# KiCad board Motherboard.kicad_pcb (continued)
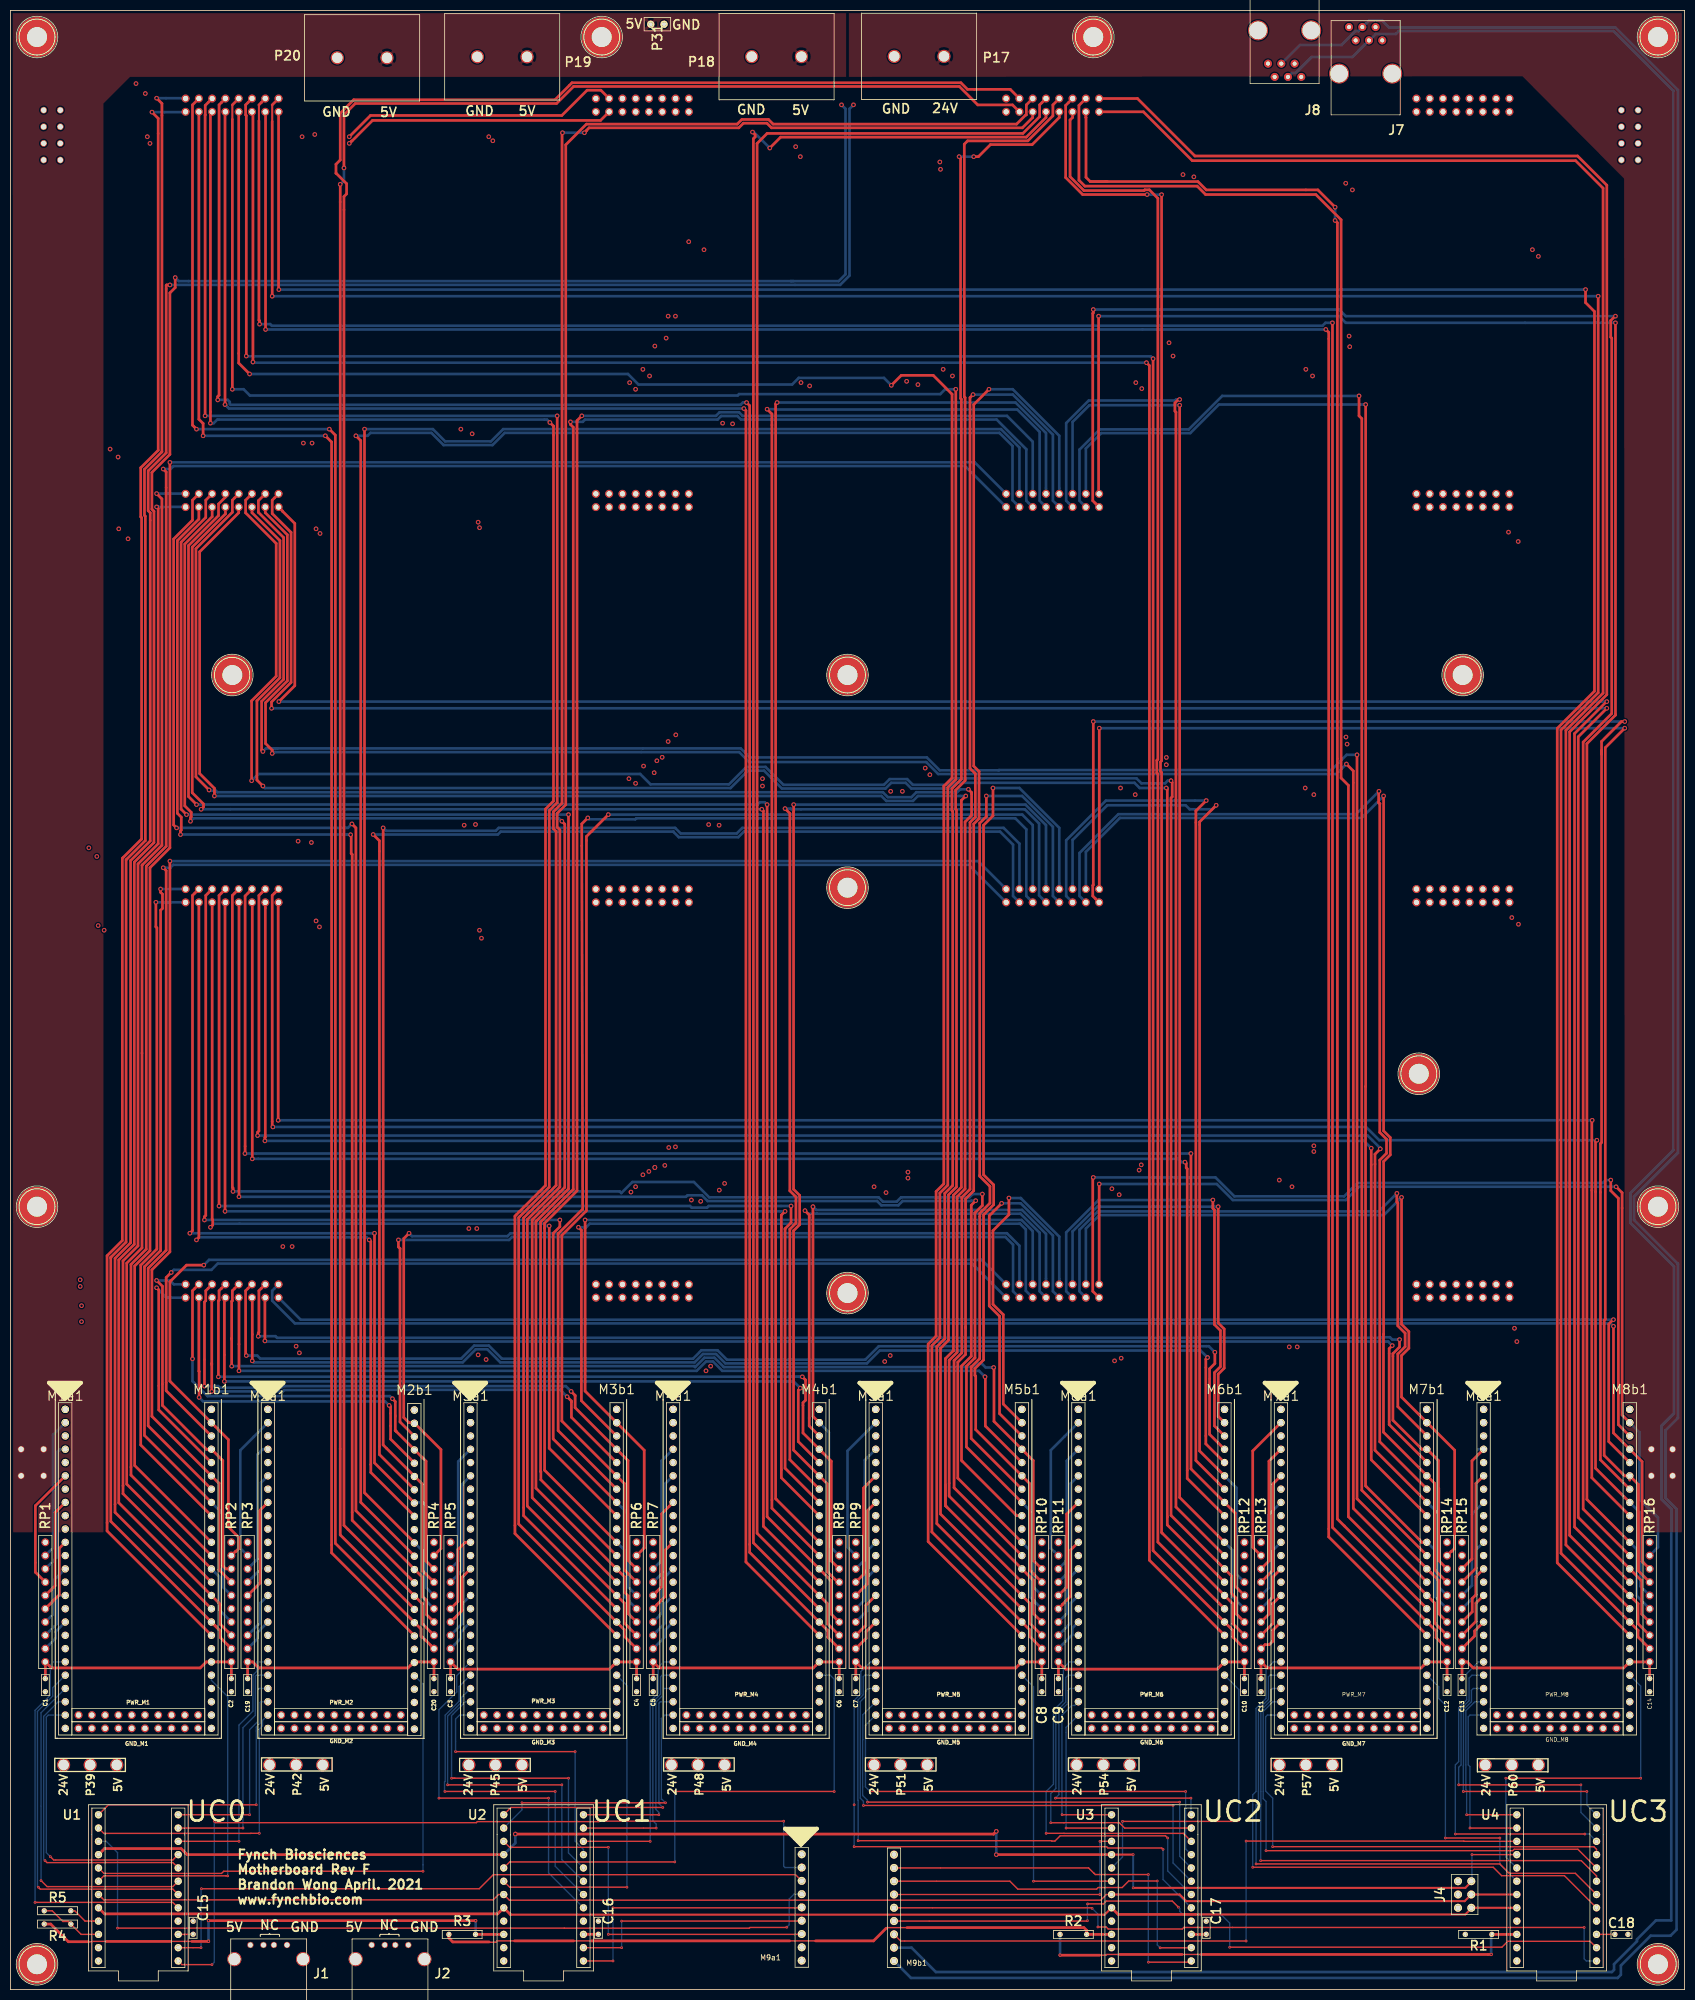
[diagram p0: board, top side]
## Routing (per net, layer and track width the routed paths; a pad name or vN(x,y) marks a point on that pad's centre or on a via; arc(x,y) is an arc through that point) (continued)
/SPA-07: length 297.1
  In1.Cu w0.508: v2(287.02,204.85) 135.89,204.85 133.35,207.39 133.35,209.3 132.35,210.3 P7.2
  In2.Cu w0.508: M8a1.15 290.58,102.04 290.58,135.76 287.46,138.87 287.46,203.07 287.02,203.52 v2(287.02,204.85)
  Bottom w0.508: 277.5,75.31 279.4,77.22 279.4,90.87 M8a1.15
/SPA-08: length 391.6
  Top w0.508: P8.2 50.04,209.08 50.04,164.97 v2(50.16,164.85) ; v2(303.28,162.31) 303.02,162.05 303.02,99.63 M8b1.16
  Bottom w0.508: v2(303.28,162.31) 261.68,162.31 259.14,164.85 v2(50.16,164.85) ; M8b1.16 311.61,91.05 311.61,77.08 313.37,75.31
/SPA-09: length 223
  In2.Cu w0.508: M8a1.21 292.23,96.08 292.23,136.12 289.31,139.04 289.31,210.19 285.85,213.64 285.85,274.6 284.77,275.68 284.77,281.75 285.34,282.32 285.34,284.62 P9.2
  Bottom w0.508: M8a1.21 280.16,84.01 280.16,75.44 RP15.5
/SPA-10: length 386.3
  Top w0.508: P10.2 208.03,285.94 v2(208.03,319.79) ; v2(306.83,318.52) 306.83,243.55 301.37,238.08 301.37,93.66 M8b1.22
  Bottom w0.508: v2(208.03,319.79) 254,319.79 255.27,318.52 v2(306.83,318.52) ; M8b1.22 310.9,84.14 310.9,75.25 RP16.5
/SPA-11: length 379.4
  Top w0.508: RP15.4 279.45,72.19 279.45,74.73 280.16,75.44 280.16,78.93 M8a1.25
  In1.Cu w0.508: v2(286.39,278.51) 137.16,278.51 134.62,281.05 134.62,283.59 132.72,285.5 131.11,285.5 130.77,285.84 P11.2
  In2.Cu w0.508: M8a1.25 293.88,92.65 293.88,136.48 290.96,139.41 290.96,210.56 287.53,213.98 287.53,276.1 287.34,276.29 287.34,277.56 v2(286.39,278.51)
/SPA-12: length 482.3
  Top w0.508: v2(49.91,244.86) 49.91,246.06 53.64,249.8 53.64,278.46 50.04,282.07 50.04,284.62 P12.2 ; v2(305.18,244.86) 299.72,239.4 299.72,90.23 M8b1.26 311.86,78.09 311.86,71.74 RP16.4
  Bottom w0.508: v2(305.18,244.86) v2(49.91,244.86)
/SPA-13: length 305.9
  Top w0.508: 277.5,67.69 280.16,70.36 280.16,73.85 M8a1.29
  In2.Cu w0.508: P13.2 285.34,360.16 285.34,289.2 289.33,285.22 289.33,214.19 292.61,210.92 292.61,139.77 295.53,136.84 295.53,89.22 M8a1.29
/SPA-14: length 390.3
  Top w0.508: 313.37,67.69 311.15,69.91 311.15,73.72 M8b1.30 298.07,86.8 298.07,240.35 305.18,247.46 305.18,344.81 299.6,350.39 226.44,350.39 215.46,361.38 P14.2
/SPA-15: length 467.1
  Top w0.508: M8a1.33 279.91,68.52 279.91,67.56 RP15.2
  In1.Cu w0.508: v2(132.59,332.49) v2(290.96,332.49)
  In2.Cu w0.508: v2(132.59,332.49) 131.32,333.76 131.32,359.02 129.69,360.64 P15.2 ; M8a1.33 297.18,85.79 297.18,137.21 294.26,140.13 294.26,211.28 290.96,214.58 v2(290.96,332.49)
  Bottom w0.508: M8a1.33 281.05,70.23
/SPA-16: length 560.2
  Top w0.381: 50.04,360.16 50.04,357
  Top w0.508: v2(50.04,323.6) 50.04,357 ; RP16.2 311.15,67.37 311.15,68.64 M8b1.34 296.42,83.38 296.42,240.71 303.53,247.82 v2(303.53,323.6) ; 50.04,360.16 P16.2
  Bottom w0.508: v2(303.53,323.6) v2(50.04,323.6)
/SPB+01: length 99.3
  In1.Cu w0.508: v2(245,153.42) 265.59,153.42 282.8,136.2 282.8,133.44 P1.3
  In2.Cu w0.508: v2(245,153.42) 244.81,153.23 244.81,128.48 243.15,126.83 243.15,121.83 244.81,120.18 244.81,107.71 M7a1.5
/SPB+02: length 127
  Top w0.508: 270.83,105.79 265.23,111.39 265.23,121.45 266.62,122.85 266.62,125.44 265.23,126.83 265.23,150.32 265.04,150.51 265.04,152.13 v2(265.05,152.15)
  Bottom w0.508: P2.3 204.37,133.44 204.37,145.2 207.88,148.7 261.61,148.7 v2(265.05,152.15)
/SPB+03: length 150.1
  In1.Cu w0.508: v2(246,122.81) 244.26,124.55 128.69,124.55 127.15,126.09 P3.3
  In2.Cu w0.508: v2(246,122.81) 246.46,122.35 246.46,105.81 246.46,104.28 M7a1.9
/SPB+04: length 249.8
  Top w0.508: v2(48.64,123.95) 48.64,132.14 P4.3 ; v2(264.16,123.06) 263.58,122.48 263.58,107.96 270.83,100.71
  Bottom w0.508: v2(264.16,123.06) 263.39,123.84 48.76,123.84 v2(48.64,123.95)
/SPB+05: length 181.2
  In1.Cu w0.381: 282.7,211.16 282.7,209.08
  In1.Cu w0.508: P5.3 282.7,209.08 ; 282.7,211.16 263.98,229.88 250.7,229.88 250.32,229.5 250.32,229.49 v2(249.17,228.35)
  In2.Cu w0.508: M7a1.13 248.26,101 248.26,123.72 248.23,123.75 248.23,225.93 249.17,226.87 v2(249.17,228.35)
/SPB+06: length 210.4
  Top w0.508: 270.83,95.63 261.77,104.69 261.77,158.51 263.07,159.81 263.07,162.51 261.77,163.8 261.77,226.59 261.8,226.62 261.56,226.86 261.56,228.92 v2(261.62,228.98)
  Bottom w0.508: P6.3 204.37,208.98 204.37,217.19 211.8,224.61 257.25,224.61 v2(261.62,228.98)
/SPB+07: length 244.3
  In1.Cu w0.508: v2(127.13,161.04) 133.73,161.04 134.7,162 247.7,162 248.46,161.24 v2(249.17,161.24)
  In2.Cu w0.508: P7.3 127.15,161.06 v2(127.13,161.04) ; v2(249.17,161.24) 249.42,161.24 250.08,160.58 250.08,159.71 249.89,159.52 249.89,96.56 243.88,90.55 M7a1.17
/SPB+08: length 332.4
  Top w0.508: v2(48.64,162.18) 48.64,162.81 48.72,162.88 P8.3 ; v2(260.15,160.78) 260.15,101.23 270.83,90.55
  Bottom w0.508: v2(260.15,160.78) 258.75,162.18 v2(48.64,162.18)
/SPB+09: length 276.8
  In1.Cu w0.508: P9.3 282.8,284.52 282.8,286.6 261.05,308.36 v2(248.92,308.36)
  In2.Cu w0.508: M7a1.23 251.54,91.58 251.54,305.74 v2(248.92,308.36)
/SPB+10: length 296.2
  Top w0.508: v2(257.81,304.55) 257.81,300.74 258.34,300.2 258.34,95.42 270.83,82.93
  Bottom w0.508: P10.3 204.37,284.52 204.37,294.27 208.24,298.15 225.26,298.15 231.66,304.55 v2(257.81,304.55)
/SPB+11: length 341
  In1.Cu w0.508: v2(127.19,239.78) 127.75,239.22 254.1,239.22 254.24,239.36 v2(255.31,239.36)
  In2.Cu w0.508: P11.3 127.15,239.82 v2(127.19,239.78) ; M7a1.27 253.19,88.15 253.19,235.08 254.76,236.65 256.21,236.65 256.92,237.36 256.92,238.2 256.62,238.51 256.55,238.51 255.7,239.36 v2(255.31,239.36)
/SPB+12: length 421.8
  Top w0.508: P12.3 48.72,282.22 52.93,278 52.93,250.09 48.77,245.93 48.77,238.12 50.04,236.85 v2(50.04,236.22) ; 270.83,77.85 256.72,91.96 256.72,232.87 v2(255.4,234.19)
  Bottom w0.508: v2(255.4,234.19) 253.49,232.28 177.36,232.28 175.07,234.57 141.22,234.57 139.32,236.47 50.29,236.47 v2(50.04,236.22)
/SPB+13: length 315.1
  In1.Cu w0.508: v2(256.54,343.92) 270.37,343.92 284.02,357.57 P13.3
  In2.Cu w0.508: v2(256.54,343.92) 256.54,338.19 254.38,336.03 254.38,243.07 259.04,238.41 259.04,234.53 254.84,230.33 254.84,86.26 254.84,84.72 M7a1.31
/SPB+14: length 341.3
  Top w0.508: 206.43,345.51 209.68,345.51 209.24,345.51 ; 206.43,345.51 205.61,346.33 205.61,357.74 205.59,357.76 P14.3 ; 206.43,345.51 227.01,345.51 228.6,343.92 249.94,343.92 v2(253.24,340.62) ; 270.83,72.77 253.67,89.93 253.67,235.21 253.67,337.64 v2(253.24,338.07)
  Bottom w0.508: v2(253.24,338.07) 253.24,340.61 v2(253.24,340.62)
/SPB+15: length 428.1
  In1.Cu w0.508: v2(255.91,315.98) 223.66,315.98 221.68,317.96 132.64,317.96 130.81,319.79 v2(127.13,319.79)
  In2.Cu w0.508: v2(255.91,315.98) 257.3,314.59 257.3,313.18 255.98,311.86 255.98,243.48 260.68,238.78 260.68,233.13 256.49,228.94 256.49,81.29 M7a1.35 ; P15.3 127.15,319.81 v2(127.13,319.79)
/SPB+16: length 501.9
  Top w0.508: P16.3 48.77,358.79 v2(48.77,317.25) ; 270.83,67.69 252.02,86.5 252.02,316.69 v2(251.46,317.25)
  Bottom w0.508: v2(251.46,317.25) v2(48.77,317.25)
/SPB-01: length 127.6
  Top w0.508: M7a1.3 237.49,102.93 237.49,84.52 RP13.9
  In1.Cu w0.508: P1.4 284.02,135.98 265.32,154.69 v2(242.57,154.69)
  In2.Cu w0.508: M7a1.3 244.09,109.54 244.09,119.89 242.44,121.54 242.44,127.13 244.09,128.78 244.09,151.89 242.57,153.42 v2(242.57,154.69)
/SPB-02: length 147.9
  Top w0.508: v2(265.94,151.38) 265.94,127.13 267.34,125.73 267.34,122.56 265.94,121.16 265.94,113.22 276.1,103.06 276.1,84.33 275.45,83.68 275.39,83.68 RP14.9
  Bottom w0.508: P2.4 205.59,145.41 208.17,147.99 262.55,147.99 v2(265.94,151.38)
/SPB-03: length 175.4
  Top w0.508: M7a1.7 240.59,100.95 240.59,81.9 RP13.8
  In1.Cu w0.508: v2(244.47,122.81) 243.45,123.84 127.27,123.84 125.83,125.27 125.83,133.44 P3.4
  In2.Cu w0.508: v2(244.47,122.81) 245.74,121.54 245.74,106.11 M7a1.7
/SPB-04: length 278.2
  Top w0.508: v2(47.37,124.84) 47.37,125.47 47.5,125.6 47.5,133.54 P4.4 ; v2(265.56,124.21) 265.56,122.79 264.29,121.52 264.29,108.8 269.84,103.25 270.83,103.25 273,101.08 273,95.81 273.05,95.76 273.05,81.98 RP14.8
  Bottom w0.508: v2(47.37,124.84) 47.38,124.85 50.66,124.85 50.97,124.55 262.15,124.55 262.25,124.65 263.72,124.65 264.16,124.21 v2(265.56,124.21)
/SPB-05: length 201.3
  Top w0.508: RP13.7 241.24,80.01 241.3,80.01 241.3,96.58 M7a1.11
  In1.Cu w0.508: v2(247.52,229.62) 248.43,229.62 249.41,230.59 264.81,230.59 284.02,211.38 P5.4
  In2.Cu w0.508: M7a1.11 247.55,102.83 247.55,123.42 247.52,123.44 v2(247.52,229.62)
/SPB-06: length 224.8
  Top w0.508: RP14.7 272.29,80.2 272.29,96.71 262.48,106.51 262.48,125.2 262.51,125.22 262.51,158.24 263.78,159.51 263.78,162.81 262.51,164.08 v2(262.51,228.09)
  Bottom w0.508: v2(262.51,228.09) 258.32,223.9 212.09,223.9 205.59,217.4 P6.4
/SPB-07: length 263.8
  In1.Cu w0.508: v2(249.17,160.15) 248.55,160.15 248.02,160.67 214.26,160.67 213.64,161.29 135.64,161.29 134.11,159.77 127,159.77 v2(125.86,160.91)
  In2.Cu w0.508: P7.4 125.93,209.08 125.93,161.61 125.86,161.54 v2(125.86,160.91) ; v2(249.17,160.15) 249.17,99.38 M7a1.15
  Bottom w0.508: 239.08,75.31 240.47,76.71 240.47,90.68 M7a1.15
/SPB-08: length 354.9
  Top w0.508: v2(47.24,163.2) 47.24,163.82 47.5,164.08 47.5,209.08 P8.4 ; 270.83,93.09 260.86,103.06 260.86,159.64 v2(261.87,160.66)
  Bottom w0.508: 270.83,93.09 273,90.92 273,76.95 274.64,75.31 ; v2(261.87,160.66) 261.87,160.78 259.46,163.2 v2(47.24,163.2)
/SPB-09: length 289.9
  In1.Cu w0.508: v2(247.65,309.63) 261.31,309.63 284.02,286.92 P9.4
  In2.Cu w0.508: v2(247.65,309.63) 247.65,307.85 250.83,304.67 250.83,93.41 M7a1.21
  Bottom w0.508: RP13.5 241.24,74.93 241.24,83.82 M7a1.21
/SPB-10: length 302.8
  Top w0.508: 270.83,85.47 269.84,85.47 259.05,96.26 259.05,172.57 259.08,172.59 v2(259.08,302.89)
  Bottom w0.508: v2(259.08,302.89) 231.01,302.89 225.55,297.43 208.53,297.43 205.59,294.49 P10.4 ; 270.83,85.47 272.29,84.01 272.29,75.12 RP14.5
/SPB-11: length 352.9
  Top w0.508: RP13.4 240.59,71.74 240.59,74.22 241.3,74.93 241.3,78.8 M7a1.25
  In1.Cu w0.508: v2(125.73,238.51) 255.02,238.51 v2(255.52,238)
  In2.Cu w0.508: v2(125.73,238.51) 125.73,282.51 125.93,282.71 125.93,284.62 P11.4 ; v2(255.52,238) 255.13,237.6 254.38,237.6 252.48,235.7 252.48,89.98 M7a1.25
/SPB-12: length 440.1
  Top w0.508: P12.4 47.4,284.52 47.4,282.3 52.22,277.47 52.22,250.39 48.02,246.18 48.02,236.84 v2(48.26,236.6) ; v2(257.43,235.97) 257.43,93.79 273.05,78.17 273.05,71.82 RP14.4
  Bottom w0.508: v2(257.43,235.97) 255.45,235.97 252.53,233.05 188.98,233.05 188.93,232.99 177.65,232.99 175.19,235.46 141.34,235.46 139.61,237.19 51.05,237.19 ; 51.05,237.19 48.84,237.19 v2(48.26,236.6) ; 51.05,237.19 49.78,237.19
/SPB-13: length 325.2
  Top w0.508: 239.08,67.69 241.3,69.91 241.3,73.72 M7a1.29
  In1.Cu w0.508: P13.4 282.7,360.06 282.7,357.25 270.64,345.19 v2(255.27,345.19)
  In2.Cu w0.508: M7a1.29 254.13,86.55 254.13,230.63 258.33,234.84 258.33,236.84 258.32,236.86 258.32,238.12 253.63,242.81 253.63,336.28 255.27,337.92 v2(255.27,345.19)
/SPB-14: length 348.3
  Top w0.508: 274.64,67.69 272.29,70.04 272.29,73.85 255.78,90.36 255.78,230.12 254.38,231.52 254.38,338.2 249.55,343.03 228.48,343.03 226.87,344.64 205.4,344.64 204.27,345.77 204.27,360.06 P14.4
/SPB-15: length 439.3
  Top w0.508: M7a1.33 241.3,68.64 241.3,66.55 240.65,65.9 239.83,65.9 RP13.2
  In1.Cu w0.508: 255.28,314.71 251.33,314.71 ; 251.33,314.71 255.27,314.71 v2(256.03,313.94) ; 251.33,314.71 223.93,314.71 221.39,317.25 128.27,317.25 v2(125.73,319.79)
  In2.Cu w0.508: P15.4 125.93,360.16 125.93,358.39 125.73,358.19 v2(125.73,319.79) ; v2(256.03,313.94) 255.27,313.18 255.27,243.18 259.97,238.49 259.97,233.43 255.78,229.24 255.78,83.12 M7a1.33
  Bottom w0.508: M7a1.33 242.62,70.23
/SPB-16: length 511.6
  Top w0.381: 47.5,360.16 47.5,357.12
  Top w0.508: 47.5,360.16 P16.4 ; 47.5,357.12 47.5,319.02 47.63,318.89 v2(47.63,318.26) ; v2(252.73,318.52) 252.73,88.33 272.54,68.52 272.54,67.25 RP14.2
  Bottom w0.508: v2(47.63,318.26) 49.66,318.26 49.96,317.96 250.84,317.96 251.4,318.52 v2(252.73,318.52)
/TS+01: length 201.7
  In1.Cu w0.508: P1.9 275.18,133.44 275.18,137.78 266.66,146.3 136.28,146.3 v2(131.95,150.63)
  In2.Cu w0.508: v2(131.95,150.63) 132,150.59 132,111.11 M4a1.5
/TS+02: length 103.7
  Top w0.508: v2(151.89,148.84) 152.7,148.03 152.7,107.71 M4b1.6
  Bottom w0.508: v2(151.89,148.84) 152.46,148.27 154.18,148.27 193.09,148.27 196.75,144.62 196.75,133.44 P2.9
/TS+03: length 49.1
  In1.Cu w0.508: P3.9 119.53,131.14 119.63,131.04 119.63,119.51 120.19,118.95 131.65,118.95 132.27,119.57 133.41,119.57 v2(133.86,119.13)
  In2.Cu w0.508: M4a1.9 133.87,107.9 133.87,118.48 133.86,118.5 v2(133.86,119.13) 133.87,119.11
/TS+04: length 142.8
  Top w0.508: P4.9 40.89,132.02 v2(40.89,116.22) ; M4b1.10 150.61,104.72 150.61,114.54 v2(151,114.94)
  Bottom w0.508: v2(40.89,116.22) 149.72,116.22 v2(151,114.94) 150.99,114.94
/TS+05: length 280.5
  In1.Cu w0.508: P5.9 275.18,208.98 275.18,211.06 263.35,222.9 137.29,222.9 136.89,222.5 v2(135.47,222.5)
  In2.Cu w0.508: v2(135.47,222.5) 135.47,156.18 133.81,154.52 133.81,151.82 135.47,150.15 135.47,104.42 M4a1.13
/TS+06: length 199.1
  Top w0.508: v2(148.08,225.68) 149,224.76 149,152.64 150.16,151.47 150.16,146.47 149,145.3 149,101.26 M4b1.14
  Bottom w0.508: v2(148.08,225.68) 149.16,225.68 149.3,225.54 193.94,225.54 196.65,222.83 196.65,209.08 P6.9
/TS+07: length 139.9
  In1.Cu w0.508: v2(136.53,154.05) 134.37,154.05 133.98,153.67 119.76,153.67 v2(119.51,153.42)
  In2.Cu w0.508: v2(136.53,154.05) 137.3,153.28 137.3,101.17 M4a1.17 ; v2(119.51,153.42) 119.53,153.44 P7.9
/TS+08: length 227.6
  Top w0.508: v2(148.08,148.72) 147.37,148.01 147.37,99.34 147.37,97.8 M4b1.18 ; P8.9 41.02,207.68 v2(41.02,148.72)
  Bottom w0.508: v2(41.02,148.72) v2(148.08,148.72)
/TS+09: length 368.2
  In1.Cu w0.508: P9.9 275.08,284.62 275.08,286.7 262.19,299.59 139.57,299.59 139.53,299.55 138.47,299.55 138.13,299.21 v2(138.05,299.21)
  In2.Cu w0.508: M4a1.23 138.9,95.15 138.9,298.36 v2(138.05,299.21)
/TS+10: length 292
  Top w0.508: v2(144.65,302.01) 145.57,301.09 145.57,91.99 M4b1.24
  Bottom w0.508: v2(144.65,302.01) 146.24,302.01 146.3,301.94 192.47,301.94 196.75,297.66 196.75,284.52 P10.9
/TS+11: length 236.5
  In1.Cu w0.508: v2(119.51,230.5) 119.63,230.38 139.83,230.38 140.21,230 v2(143.76,230)
  In2.Cu w0.508: v2(143.76,230) 140.54,226.77 140.54,91.71 M4a1.27 ; P11.9 119.51,283.27 v2(119.51,230.5)
/TS+12: length 320.9
  Top w0.508: v2(36.45,225.55) 36.89,226 36.89,226.57 34.75,228.71 34.75,275.65 41.1,282 P12.9 ; v2(143.64,225.55) 143.94,225.25 143.94,88.53 M4b1.28
  Bottom w0.508: v2(143.64,225.55) v2(36.45,225.55)
/TS+13: length 417.4
  In1.Cu w0.508: v2(151,350.27) 152.2,351.46 270.1,351.46 276.4,357.76 P13.9
  In2.Cu w0.508: M4a1.31 142.19,88.28 142.19,225.55 145.59,228.96 145.59,236.26 145.25,236.6 145.25,299.63 149.94,304.31 149.94,349.2 v2(151,350.27)
/TS+14: length 348.6
  Top w0.508: M4b1.32 142.02,85.37 142.02,353.69 142.37,354.04 142.37,354.46 v2(141.86,354.97) ; v2(145.16,351.92) 147.24,354 194.21,354 197.97,357.76 P14.9
  Bottom w0.508: v2(145.16,351.92) 142.11,354.97 v2(141.86,354.97)
/TS+15: length 336.1
  In1.Cu w0.508: v2(119.51,305.82) 152.15,305.82 v2(152.78,306.45)
  In2.Cu w0.508: v2(119.51,305.82) 119.53,305.84 P15.9 ; M4a1.35 143.84,84.85 143.84,223.29 147.02,226.46 147.02,298.92 151.84,303.74 151.85,303.74 152.78,304.67 v2(152.78,306.45)
/TS+16: length 395.9
  Top w0.508: v2(140.21,302.13) 140.6,301.74 140.6,81.71 M4b1.36 ; P16.9 41.02,358.76 v2(41.02,302.89)
  Bottom w0.508: v2(140.21,302.13) 41.78,302.13 v2(41.02,302.89)
/TS-01: length 227
  In1.Cu w0.508: P1.10 276.4,137.57 266.96,147.02 137.67,147.02 133.15,151.54 130.84,151.54 v2(130.17,150.88)
  In2.Cu w0.508: RP7.9 125.22,85.28 125.22,106.87 M4a1.3 131.29,112.94 131.29,149.76 v2(130.17,150.88)
/TS-02: length 125.1
  Top w0.508: v2(153.42,149.61) 153.42,109.54 M4b1.4
  Bottom w0.508: P2.10 197.97,144.4 193.39,148.98 154.04,148.98 v2(153.42,149.61) ; M4b1.4 156.46,106.49 156.46,84.84 157.16,84.14 157.23,84.14 RP8.9
/TS-03: length 79.6
  In1.Cu w0.508: v2(132.97,118.24) 119.38,118.24 118.31,119.3 118.31,133.54 P3.10
  In2.Cu w0.508: M4a1.7 132.97,109.54 ; 132.97,109.54 v2(132.97,118.24) ; 132.97,109.54 132.97,116.08
  Bottom w0.508: RP7.8 124.46,81.98 124.46,101.03 M4a1.7
/TS-04: length 169.9
  Top w0.508: v2(39.75,117.09) 39.75,131.61 39.88,131.74 39.88,133.54 P4.10 ; v2(151.38,117.09) 151.99,116.48 151.99,112.62 151.51,112.14 151.51,106.36 M4b1.8 156.92,100.95 156.92,81.9 RP8.8
  Bottom w0.508: v2(151.38,117.09) 150.76,117.09 150.73,117.12 39.78,117.12 v2(39.75,117.09)
/TS-05: length 301.2
  In1.Cu w0.508: v2(133.48,222.63) 134.65,223.8 263.98,223.8 276.4,211.38 P5.10
  In2.Cu w0.508: v2(133.48,222.63) 134.76,221.35 134.76,156.48 133.1,154.81 133.1,151.52 134.76,149.86 134.76,106.25 M4a1.11
  Bottom w0.508: M4a1.11 125.22,96.71 125.22,80.2 RP7.7
/TS-06: length 215.4
  Top w0.508: v2(149.73,226.44) 149.73,225.04 149.71,225.02 149.71,152.93 150.88,151.77 150.88,146.18 149.71,145.01 149.71,103.09 M4b1.12 156.21,96.58 156.21,79.81 158.17,77.85 RP8.7
  Bottom w0.508: v2(149.73,226.44) 194.05,226.44 197.97,222.52 P6.10
/TS-07: length 159.6
  Top w0.508: M4a1.15 124.51,90.92 124.51,77.01 123.57,76.07 123.57,76.01 122.87,75.31
  In1.Cu w0.508: v2(118.62,152.4) 119.83,152.4 120.19,152.77 v2(135.51,152.77)
  In2.Cu w0.508: v2(118.62,152.4) 118.62,153.03 118.31,153.33 118.31,209.08 P7.10 ; M4a1.15 127.67,93.09 136.4,101.82 136.4,151.88 v2(135.51,152.77)
/TS-08: length 249.9
  Top w0.508: M4b1.16 148.08,99.63 148.08,145.39 149.22,146.54 v2(149.22,149.73) ; v2(39.88,149.73) 39.88,149.73 39.88,209.08 P8.10
  In2.Cu w0.508: 158.43,75.31 156.97,76.77 156.97,90.74 M4b1.16
  Bottom w0.508: v2(149.22,149.73) 133.48,149.73 133.17,149.43 130.23,149.43 129.92,149.73 v2(39.88,149.73)
/TS-09: length 381
  Top w0.508: RP7.5 123.57,73.47 123.57,73.53 125.22,75.18 125.22,84.01 M4a1.21
  In1.Cu w0.508: v2(136.14,299.34) 137.11,300.3 263.02,300.3 276.4,286.92 P9.10
  In2.Cu w0.508: M4a1.21 138.18,96.96 138.18,152.72 138.19,152.73 138.19,297.29 v2(136.14,299.34)
/TS-10: length 301.1
  Top w0.508: v2(146.56,303.28) 146.28,303 146.28,93.81 M4b1.22
  In2.Cu w0.508: M4b1.22 156.21,83.88 156.21,74.93 157.62,73.52 157.68,73.52 RP8.5
  Bottom w0.508: v2(146.56,303.28) 192.14,303.28 197.97,297.45 P10.10
/TS-11: length 250.8
  In1.Cu w0.508: v2(143.76,231.39) 139.84,231.39 139.83,231.41 119.07,231.41 119.06,231.39 v2(118.24,231.39)
  In2.Cu w0.508: M4a1.25 139.83,93.54 139.83,228.22 143,231.39 v2(143.76,231.39) ; P11.10 118.24,284.54 v2(118.24,231.39)
  Bottom w0.508: RP7.4 124.08,71.44 124.08,71.5 124.51,71.93 124.51,78.22 M4a1.25
/TS-12: length 334.3
  Top w0.508: P12.10 41.1,285.2 39.78,283.88 39.78,281.68 34.04,275.94 34.04,227.99 v2(35.57,226.45) ; RP8.4 156.97,71.69 156.97,78.04 M4b1.26 144.65,90.36 v2(144.65,226.44)
  Bottom w0.508: v2(35.57,226.45) 142.82,226.45 143.25,226.89 144.21,226.89 v2(144.65,226.44)
/TS-13: length 427.5
  In1.Cu w0.508: v2(150.11,352.17) 269.28,352.17 275.18,358.08 275.18,360.16 P13.10
  In2.Cu w0.508: M4a1.29 141.48,90.11 141.48,222 141.35,222.12 141.35,225.72 144.88,229.25 144.88,235.96 144.54,236.31 144.54,299.92 149.22,304.61 149.22,351.28 v2(150.11,352.17)
  Bottom w0.508: M4a1.29 125.22,73.85 125.22,70.1 123.57,68.45 123.57,68.39 122.87,67.69
/TS-14: length 351.7
  Top w0.508: 158.43,67.69 156.21,69.91 156.21,73.72 M4b1.30 142.74,87.2 142.74,352.79 144.65,354.71 193.55,354.71 196.75,357.91 196.75,360.16 P14.10
/TS-15: length 341.2
  In1.Cu w0.508: v2(151.13,307.09) v2(118.36,307.09)
  In2.Cu w0.508: M4a1.33 143.13,86.68 143.13,223.58 146.3,226.76 146.3,299.21 151.13,304.04 v2(151.13,307.09) ; P15.10 118.31,360.16 118.31,358.25 118.36,358.2 v2(118.36,307.09)
  Bottom w0.508: M4a1.33 125.22,68.77 125.22,67.5 RP7.2
/TS-16: length 405.6
  Top w0.508: v2(140.72,303.28) 141.31,302.68 141.31,83.54 M4b1.34 156.27,68.58 156.27,67.31 RP8.2 ; v2(39.62,303.78) 39.62,304.41 39.88,304.67 39.88,360.16 P16.10
  Bottom w0.508: v2(140.72,303.28) 140.02,303.28 139.58,302.84 42.09,302.84 41.92,303.01 41.92,303.4 41.53,303.8 39.64,303.8 v2(39.62,303.78)
/UC0_A0: length 100.8
  Top w0.254: U1.16 17.88,22.19 40.35,22.19 40.77,22.61 v1(78.87,22.61)
  Bottom w0.254: 77.15,60.07 78.87,58.36 v1(78.87,22.61)
/UC0_A1: length 64.8
  Top w0.254: v1(41.53,21.72) 41.52,21.73 17.86,21.73 U1.14
  Bottom w0.254: M1b1.42 38.42,59.08 41.53,55.97 v1(41.53,21.72)
/UC0_A2: length 274
  Top w0.254: U3.12 209.51,18.16 208.42,17.07 95.39,17.07 U2.12 93.31,18.16 92.28,17.13 17.86,17.13 U1.12
  Top w0.381: U4.12 J4.3 278,16.89 224.79,16.89 223.52,18.16 U3.12
/UC0_A3: length 274.5
  Top w0.381: 226.57,14.35 278.13,14.35 279.27,15.49 J4.1 U4.10 ; 95.5,14.41 95.61,14.3 209.02,14.3 209.11,14.22 U3.10
  Top w0.508: 95.62,14.3 U2.10 93.14,14.47 17.98,14.47 U1.10 ; U3.10 211.77,14.35 226.57,14.35
/UC0_D2: length 77.5
  Top w0.254: v1(4.7,16.64) 4.71,16.65 31.04,16.65 U1.9
  Bottom w0.254: v1(4.7,16.64) 4.7,53.34 7.62,56.26 7.62,62.04 8.19,62.61 M1a1.39
/UC0_D3: length 70.1
  Top w0.254: U1.11 31.04,19.19 5.7,19.19 v1(5.33,19.56)
  Bottom w0.254: M1a1.41 8.08,57.67 8.08,56.07 5.16,53.15 5.16,19.74 v1(5.33,19.56)
/UC0_D4: length 65.8
  Top w0.254: v1(5.84,20.83) 7,19.67 31.04,19.67 U1.13
  Bottom w0.254: M1a1.43 5.84,52.9 v1(5.84,20.83)
/UC0_D5: length 59
  Top w0.254: U1.15 31.04,24.27 16.33,24.27 16.32,24.26 6.98,24.26 v1(6.6,24.64)
  Bottom w0.254: v1(6.6,24.64) 6.35,24.89 6.35,52.21 9.13,54.99 M1a1.45
/UC0_D6: length 55.9
  Top w0.254: v1(7.62,25.4) 8.27,24.75 31.04,24.75 U1.17
  Bottom w0.254: v1(7.62,25.4) 6.86,26.16 6.86,52.07 7.24,52.45 M1a1.47
/UC0_D7: length 49.4
  Top w0.254: v1(43.69,28.32) U1.19
  Bottom w0.254: M2a1.39 47.12,62.61 47.12,60.84 46.35,60.08 46.35,53.21 43.69,50.55 v1(43.69,28.32)
/UC0_D8: length 44.9
  Top w0.254: v1(44.45,30.86) U1.21
  Bottom w0.254: M2a1.41 46.99,60.07 46.81,59.89 46.81,52.4 44.45,50.04 v1(44.45,30.86)
/UC0_D9: length 40.2
  Top w0.254: v1(45.72,33.4) U1.23
  Bottom w0.254: v1(45.72,33.4) 45.72,49.66 47.27,51.21 47.27,57.28 47.52,57.53 M2a1.43
/UC0_D10: length 52.3
  Top w0.254: U1.24 18.73,35.31 v1(46.99,35.31)
  Bottom w0.254: v1(46.99,35.31) 46.99,50.17 47.73,50.9 47.73,54.84 47.88,54.99 M2a1.45
/UC0_D11: length 54.5
  Top w0.254: v1(47.57,29.85) 45.97,29.85 45.96,29.83 17.86,29.83 U1.22
  Bottom w0.254: v1(47.57,29.85) 47.57,49.64 47.5,49.72 48.18,50.4 48.18,51.42 M2a1.47
/UC0_D12: length 155.4
  Top w0.254: v1(148.42,11.92) 148.36,11.86 141.38,11.86 141.24,11.72 105.88,11.72 105.86,11.74 v1(20.47,11.74)
  Bottom w0.254: v1(20.47,11.74) 20.47,26.16 18.3,28.32 U1.20 ; M9a1.7 149.79,18.23 148.87,17.31 148.87,12.37 v1(148.42,11.92)
/UC0_D13: length 291.4
  Top w0.254: U4.18 v1(279.4,25.78)
  Top w0.381: J4.5 279.27,20.57 278.13,19.43 v3(214.63,19.43) ; v3(214.63,25.78) U3.18
  Top w0.508: v2(188.47,30.23) 187.95,29.71 96.53,29.71 v2(96.52,29.72) ; U2.18 33.78,25.78 32.62,26.94 17.98,26.94 U1.18 ; U3.18 v2(188.47,25.78)
  Bottom w0.254: v1(279.4,25.78) 279.4,20.83 J4.5
  Bottom w0.381: v3(214.63,19.43) v3(214.63,25.78)
  Bottom w0.508: v2(188.47,25.78) v2(188.47,30.23) ; U2.18 96.52,28 v2(96.52,29.72)
/UC0_NRST: length 2.9
  Top w0.254: U1.5 34.91,10.54 C15.1
/UC0_R: length 12.2
  Top w0.254: R5.2 7.98,15.05 10.02,13.01 11.04,13.01 R4.1 13.51,10.54 U1.6
/UC0_RX: length 132
  Top w0.254: v1(36.43,8) 36.43,8 U1.3 ; M9a1.5 150.08,21.96 92.31,21.96 89.62,19.27 v1(36.51,19.27)
  Bottom w0.254: v1(36.43,8) 36.43,19.19 v1(36.51,19.27)
/UC0_TX: length 155.6
  Top w0.254: U1.1 32.77,4.76 v1(38.53,4.76) ; v1(147.82,32.18) 112.58,32.18 112.5,32.1 89.26,32.1 89.05,31.89 39.22,31.89 v1(38.96,32.15)
  Bottom w0.254: v1(147.82,32.18) 147.82,23.58 148.09,23.31 M9a1.3 ; v1(38.53,4.76) 38.96,5.2 v1(38.96,32.15)
/UC1_A0: length 101.8
  Top w0.254: v1(157.48,37.85) v1(127,37.85) ; v1(127,24.38) 95.44,24.38 U2.16
  Bottom w0.254: M4b1.42 156.72,60.07 157.48,59.31 v1(157.48,37.85) ; v1(127,37.85) v1(127,24.38)
/UC1_A1: length 65.4
  Top w0.254: U2.14 95.44,19.56 v1(117.86,19.56)
  Bottom w0.254: M3b1.42 117.86,58.1 v1(117.86,19.56)
/UC1_D2: length 73.2
  Top w0.254: v1(102.87,36.58) v1(81.91,36.58)
  Bottom w0.254: M3a1.39 85.32,59.98 85.32,56.87 81.91,53.46 v1(81.91,36.58) ; v1(102.87,36.58) 102.87,22.29 U2.9
/UC1_D3: length 67.3
  Top w0.254: v1(83.06,37.85) v1(104.14,37.85)
  Bottom w0.254: v1(104.14,37.85) 104.14,23.56 U2.11 ; M3a1.41 85.78,57.9 85.78,55.1 83.11,52.43 83.11,39.8 82.98,39.67 82.98,37.92 v1(83.06,37.85)
/UC1_D4: length 62.2
  Top w0.254: v1(105.41,39.12) v1(83.57,39.12)
  Bottom w0.254: M3a1.43 86.23,55.82 86.23,54.91 83.57,52.24 v1(83.57,39.12) ; v1(105.41,39.12) 105.41,24.83 U2.13
/UC1_D5: length 57.7
  Top w0.254: v1(106.68,40.39) 84.96,40.39 ; 84.96,40.39 84.58,40.39 ; 84.96,40.39 v1(84.33,40.39)
  Bottom w0.254: U2.15 106.68,26.1 v1(106.68,40.39) ; M3a1.45 86.96,54.99 84.33,52.36 v1(84.33,40.39)
/UC1_D6: length 52.6
  Top w0.254: v1(85.09,45.47) v1(107.95,45.47)
  Bottom w0.254: U2.17 109.54,26.77 107.95,28.36 v1(107.95,45.47) ; v1(85.09,45.47) 85.09,51.69 85.85,52.45 M3a1.47
/UC1_D7: length 49.9
  Top w0.254: v1(122.3,28.32) U2.19
  Bottom w0.254: M4a1.39 124.84,62.61 123.82,61.6 123.82,56.64 122.3,55.12 122.3,28.32 v1(122.3,28.32)
